# Altium PCB iMX53_BB_PCB_V1I1.PcbDoc (part 1 of 9) (continued)
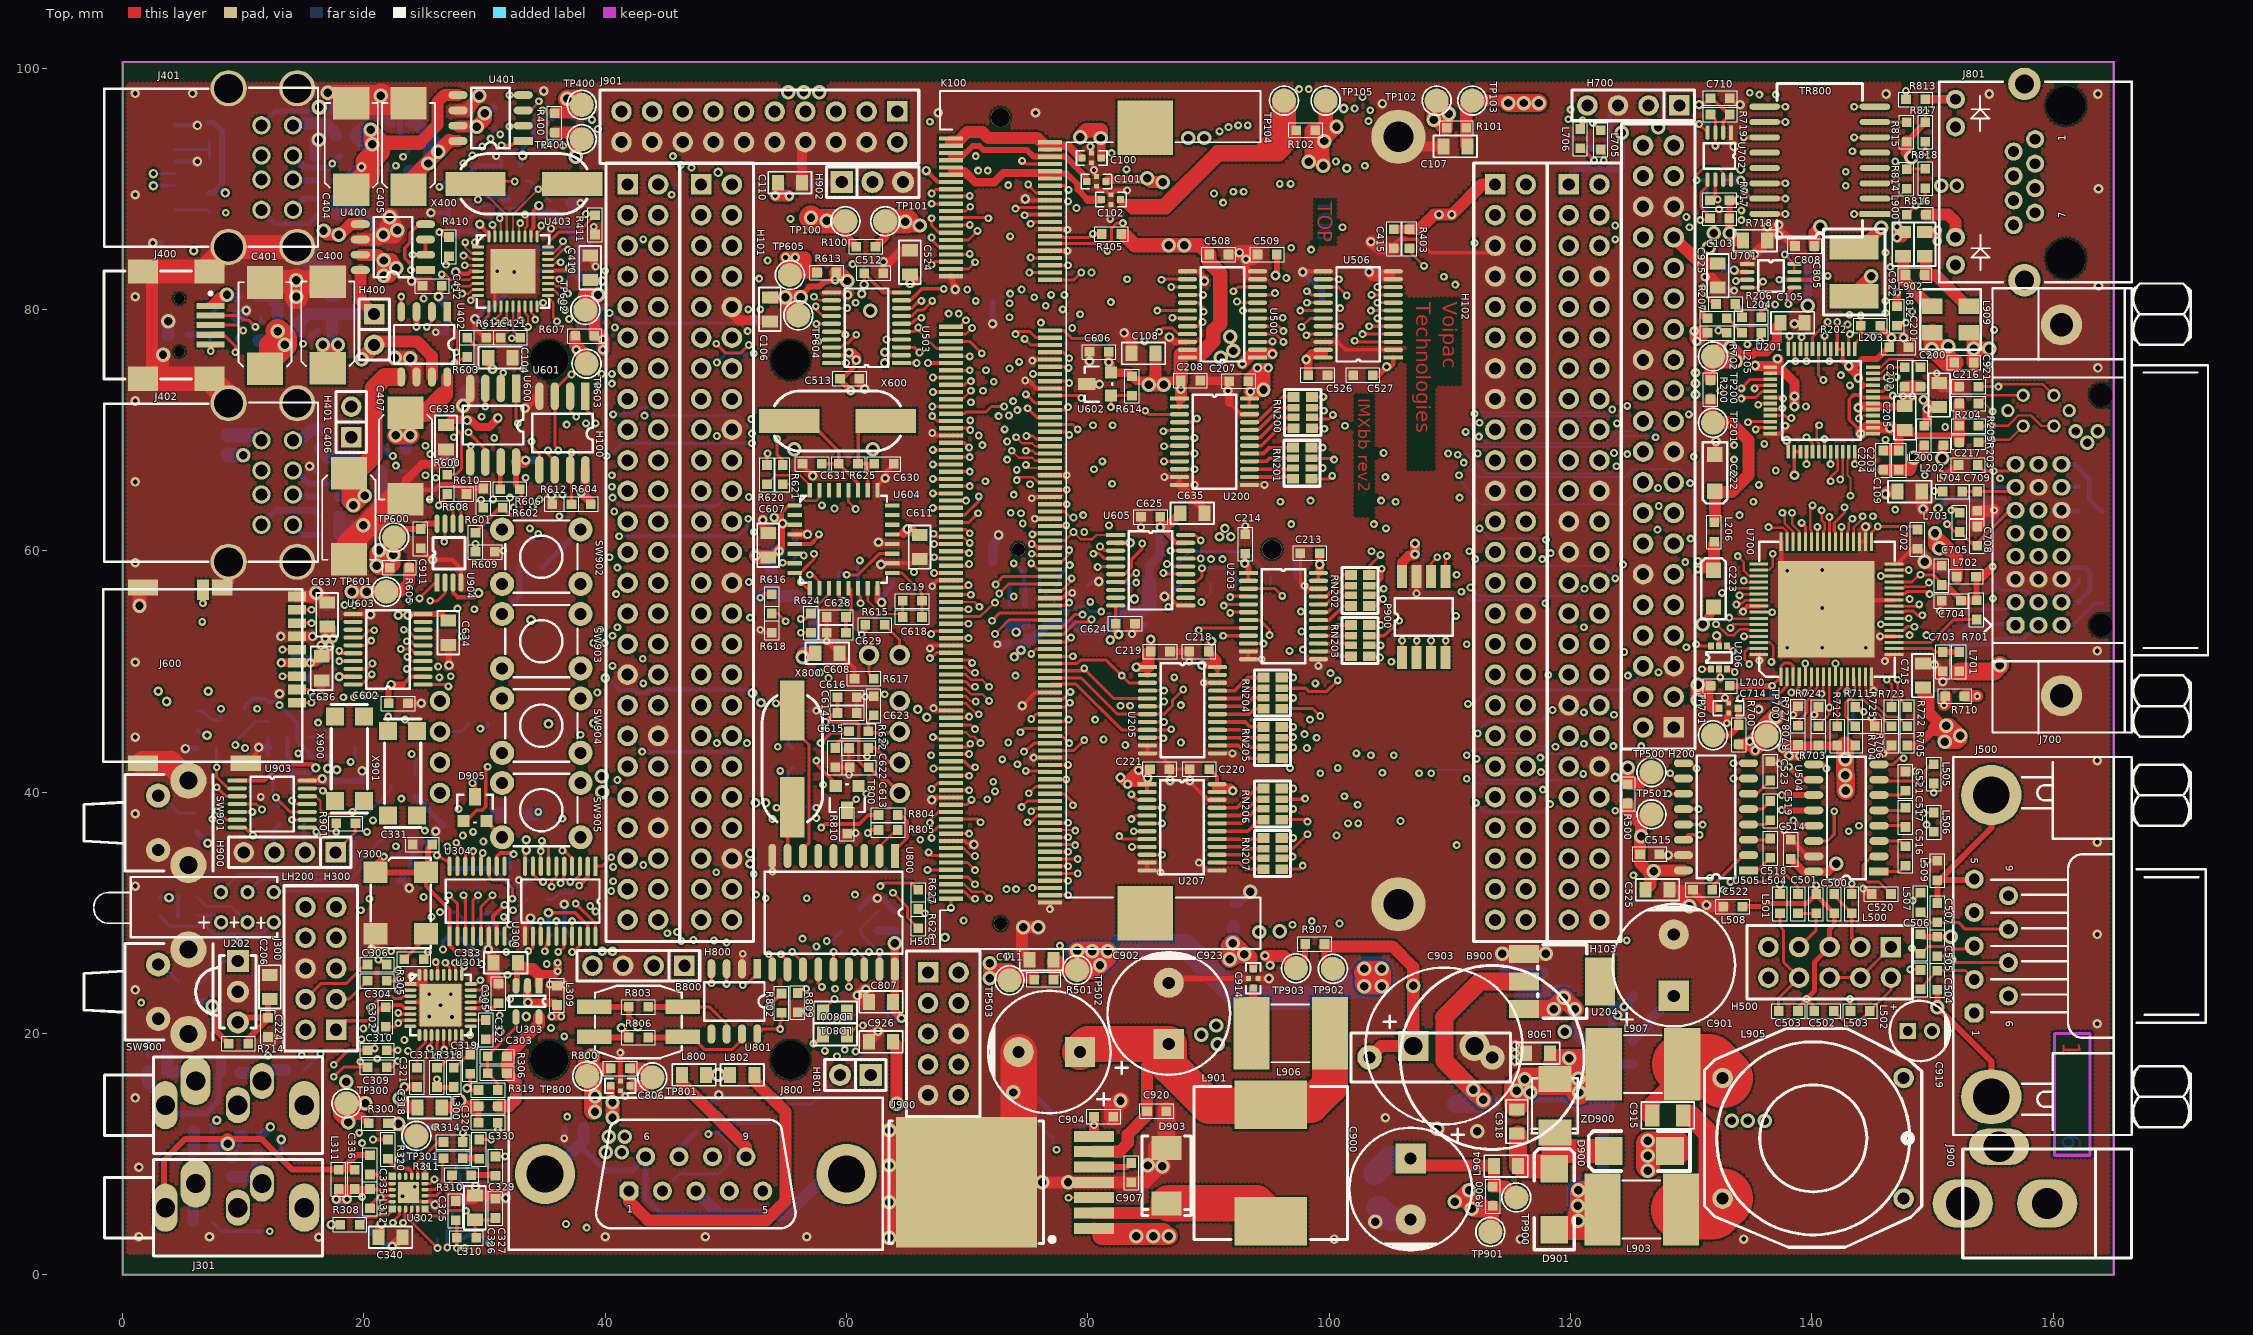
[diagram p0: Top view]
## Components (designator, comment, footprint, x,y, rotation, side; value= is the part's Value field where it differs from the comment) (continued)
H900 "H4" H1x4 13.85,35 r180 top
H902 "BOOTMODE" H1x3 59.6,90.55 r0 top
J300 "SJ3523" SJ35_NS 9.3,15.05 r90 top locked
J301 "SJ3523" SJ35_NS 9.3,6.55 r90 top locked
J400 "MINIUSB" MINI_USB_AB -11.2,75.9 r270 top locked
J401 "USB2A" USB-2A 11.5,95.25 r90 top locked
J402 "USB2A" USB-2A 11.5,69.15 r90 top locked
J500 "DB9M-RA" DRA9_M_RA 154.87,27.25 r270 top locked
J600 "MICROSD" USD10 14.45,47.4 r90 top
J601 "SCI8" SCI8F 55.35,17.8 r90 bottom locked
J602 "MMCSD" SDCMF-109 74.25,60.1 r0 bottom
J700 "DVI-I" DVI_F_RA 156.875,53.825 r270 top locked
J800 "DB9F-RA" DRA9_F 47.5,8.35 r0 top
J801 "RJ45RA" RJ45LED 158.5,94.1 r0 top locked
J900 "PJ102B" POWER_JACK_5.5/2.1MM_NS 156,8.25 r270 top locked
J901 "JTAG" H2x10 64.2,96.4 r270 top locked
K100 "DIMM200" SODIMM200EDGE 68.65,94.15 r0 top locked
L200 "BEAD" 0603 149.3,69.55 r90 top
L202 "BEAD" 0603 150.1,68.75 r0 top
L203 "BEAD" 0603 147.2,76.85 r180 top
L204 "BEAD" 0603 135,79.35 r0 top
L205 "BEAD" 0603 135,78.05 r0 top
L206 "BEAD" 0603 131.9,61.55 r90 top
L300 "BEAD" 0603 30.3,13.95 r0 top
L301 "BEAD" 0603 2.9,18.1 r0 bottom
L302 "BEAD" 0603 14.25,16.95 r180 bottom
L303 "BEAD" 0603 8.95,17.95 r180 bottom
L304 "BEAD" 0603 6.65,4.45 r180 bottom
L305 "BEAD" 0603 12,9.95 r180 bottom
L306 "BEAD" 0603 6.7,11.85 r180 bottom
L308 "BEAD" 0603 10.7,11.55 r180 bottom
L309 "BEAD" 0603 36,23.15 r270 top
L310 "BEAD" 0603 28.5,3.05 r180 top
L311 "270nH" 0603 17.9,7.9 r90 top
L312 "120nH" 0603 20.5,6.3 r270 top
L400 "BEAD" 0603 10.45,81.05 r180 bottom
L401 "BEAD" 0603 4.6,77.9 r0 bottom
L402 "BEAD" 0603 23,95.4 r180 bottom
L403 "BEAD" 0603 18.5,94.4 r0 bottom
L404 "BEAD" 0603 16.95,87.85 r180 bottom
L405 "BEAD" 0603 16.95,89.2 r180 bottom
L406 "BEAD" 0603 8.7,68.75 r90 bottom
L407 "BEAD" 0603 16.35,69.25 r270 bottom
L408 "BEAD" 0603 17.15,62.85 r180 bottom
L409 "BEAD" 0603 17.15,61.3 r180 bottom
L500 "BEAD" 0603 143.3,30.75 r270 top
L501 "BEAD" 0603 137.35,30.75 r90 top
L502 "BEAD" 0603 149,24.45 r270 top
L503 "BEAD" 0603 144,21.85 r180 top
L504 "BEAD" 0603 138.85,30.75 r270 top
L505 "BEAD" 0603 150.1,41.5 r270 top
L506 "BEAD" 0603 150.1,37.5 r270 top
L507 "BEAD" 0603 149,30.85 r270 top
L508 "BEAD" 0603 133.45,30.5 r0 top
L509 "BEAD" 0603 150.4,33.5 r270 top
L700 "BEAD" 0603 132.4,48.8 r180 top
L701 "BEAD" 0603 152.2,50.8 r270 top
L702 "BEAD" 0603 152.8,57.85 r180 top
L703 "BEAD" 0603 152.25,62.35 r270 top
L704 "BEAD" 0603 151.65,64.9 r0 top
L705 "BEAD" 0603 122.5,94.05 r90 top
L706 "BEAD" 0603 120.8,94.15 r90 top
L800 "BEAD" 0805 47.35,16.55 r0 top
L801 "BEAD" 0603 37.4,12.15 r0 bottom
L802 "BEAD" 0805 51.35,16.55 r180 top
L900 "BEAD" 0805 147.55,85.4 r270 top
L901 "33uH" L127_NS 95.15,9.25 r180 top
L902 "BEAD" 0805 149.35,85.4 r270 top
L903 "7427512" 7427512 125.9,5.4 r0 top
L904 "BEAD" 0805 114.65,9 r0 top
L905 "B82721A2701N20" 42H17 147.6,16.3 r180 top
L906 "7427512" 7427512 96.8,20 r0 top
L907 "7427512" 7427512 126,17.45 r0 top
L908 "BEAD" 0805 117.3,18.35 r0 top
L909 "DLW5BSN302SQ2L" DLW5BSN 153,78.05 r270 top
LD800 "LED" 0805 59.05,19.9 r180 top
LD801 "LED" 0805 59.05,21.75 r180 top
LH200 "LEDH3" "LED HOLDER 3" 10.48,27.95 r90 top locked
P900 "JTAG8" 47041-0001 106.034,51.152 r90 top locked
R100 "0R1" 0603 61.6,85.2 r0 top
R101 "0R1" 0603 110.55,95.05 r0 top
R102 "0R1" 0603 98.05,94.85 r0 top
R200 "0R1" 0603 131.6,73.35 r270 top
R201 "10k" 0603 6,23.45 r90 bottom
R202 "560R" 0603 144.85,78.65 r180 top
R203 "75R" 0603 153,69 r0 top
R204 "75R" 0603 153,72.2 r0 top
R205 "75R" 0603 153,70.35 r0 top
R206 "10R" 0603 132.85,80.45 r180 top
R207 "10R" 0603 132.15,79.25 r180 top
R208 "1k" 0603 5.4,29.75 r0 bottom
R209 "1k" 0603 5.4,31.25 r0 bottom
R210 "1k" 0603 3.1,30.5 r270 bottom
R211 "10k" 0603 15.45,43.75 r90 bottom
R212 "100k" 0603 7,43.65 r180 bottom
R213 "0R" 0603 7.2,88.85 r90 bottom
R214 "100R" 0603 9.6,19.15 r0 top
R215 "47R" 0603 7.2,94.65 r270 bottom
R300 "0R1" 0603 21.2,12.55 r0 top
R301 "10R" 0603 27.05,30.05 r270 bottom
R302 "10R" 0603 30.65,30.05 r270 bottom
R303 "10R" 0603 29.45,30.05 r270 bottom
R304 "10R" 0603 28.25,30.05 r270 bottom
R305 "10R" 0603 24.15,26.15 r0 top
R306 "75k" 0603 31.05,16.7 r0 top
R307 "10k" 0603 26.9,3.05 r0 bottom
R308 "10k" 0603 18.85,4.15 r180 top
R309 "0R" 0603 26.05,10.4 r90 bottom
R310 "22k" 0603 28.1,8.25 r180 top
R311 "22k" 0603 27.4,9.65 r180 top
R312 "0R" 0603 27.05,6.1 r90 bottom
R313 "0R" 0603 26.85,9.6 r180 bottom
R314 "0R" 0603 27.4,11 r180 top
R315 "0R" 0603 26.25,6.9 r0 bottom
R316 "0R" 0603 23.4,5.6 r180 bottom
R317 "0R" 0603 18.9,5.35 r180 bottom
R318 "1k" 0603 27.45,16.35 r90 top
R319 "51k" 0603 30.3,15.3 r0 top
R320 "0R" 0603 22,10.4 r270 top
R321 "10k" 0603 34.35,31.1 r180 bottom
R322 "10k" 0603 33.4,28.35 r180 bottom
R400 "0R1" 0603 35.8,95.45 r270 top
R401 "10k" 0603 60.65,83.5 r180 bottom
R402 "820R" 0603 15.4,78.2 r0 bottom
R403 "820R" 0603 106.65,85.85 r270 top
R404 "100k" 0603 30.85,95.95 r90 bottom
R405 "10k" 0603 81.95,86.25 r180 top
R406 "0R" 0603 36.9,87.55 r180 bottom
R407 "100k" 0603 34.85,95.65 r0 bottom
R408 "100k" 0603 34.9,94.3 r0 bottom
R409 "100k" 0603 26.5,85.95 r180 bottom
R410 "0R" 0603 27.05,85.2 r270 top
R411 "100k" 0603 39.15,87 r270 top
R412 "100k" 0603 32.45,83.95 r180 bottom
R413 "100k" 0603 34.55,85.85 r0 bottom
R414 "1M" 0603 32.6,90.6 r180 bottom
R415 "12k0" 0603 30.35,88.7 r270 bottom
R416 "0R" 0603 36.45,95.65 r0 bottom
R417 "0R" 0603 36.5,94.3 r0 bottom
R418 "100k" 0603 35.65,96.45 r90 bottom
R419 "100k" 0603 35.7,93.5 r270 bottom
R500 "0R1" 0603 124.75,39.85 r270 top
R501 "0R1" 0603 76.35,24.45 r180 top
R600 "10k" 0603 26.9,65.5 r270 top
R601 "10k" 0603 29.25,60.7 r270 top
R602 "10k" 0603 30.7,63.55 r180 top
R603 "10k" 0603 28.55,76.85 r90 top
R604 "10k" 0603 38,63.85 r180 top
R605 "0R1" 0603 22.95,58.6 r0 top
R606 "10k" 0603 32.1,65.1 r180 top
R607 "0R1" 0603 38.3,77.8 r180 top
R608 "10k" 0603 27.7,64.7 r0 top
R609 "10k" 0603 30.05,59.9 r0 top
R610 "10k" 0603 29.9,64.35 r90 top
R611 "10k" 0603 29.35,77.65 r0 top
R612 "10k" 0603 36.4,63.85 r180 top
R613 "0R1" 0603 58.35,83.05 r180 top
R614 "1k" 0603 83.65,73.65 r270 top
R615 "10k" 0603 62.35,53.85 r180 top
R616 "0R" 0603 53.8,55.6 r90 top
R617 "100R" 0603 61.45,49.4 r0 top
R618 "0R" 0603 53.8,54 r90 top
R619 "10k" 0603 6.65,55.55 r90 bottom
R620 "0R" 0603 53.4,66.3 r270 top
R621 "0R" 0603 54.7,66.3 r270 top
R622 "100R" 0603 61,45.05 r0 top
R623 "100R" 0603 29.5,45.65 r180 bottom
R624 "0R" 0603 57.05,54 r270 top
R625 "1M" 0603 60.15,67.2 r0 top
R626 "0R" 0603 65.95,29.5 r90 top
R627 "0R" 0603 65.95,31.1 r270 top
R631 "10k" 0603 73.5,54.7 r90 bottom
R632 "10k" 0603 74.8,54.7 r90 bottom
R700 "0R1" 0603 133.95,44.75 r90 top
R701 "510R0" 0603 153.65,55.1 r270 top
R702 "10R" 0603 132.15,78.05 r180 top
R703 "10k" 0603 140.55,44.65 r90 top
R704 "10k" 0603 143.6,44.65 r90 top
R705 "10k" 0603 147.9,44.65 r90 top
R706 "10k" 0603 146.6,44.65 r90 top
R707 "10k" 0603 138.45,44.7 r90 bottom
R708 "10k" 0603 138.85,44.7 r90 top
R709 "10k" 0603 140,44.7 r90 bottom
R710 "1k" 0603 151.85,47.95 r180 top
R711 "0R" 0603 143.6,46.25 r270 top
R712 "10k" 0603 142.1,44.65 r90 top
R713 "100k" 0603 138.85,83.9 r180 bottom
R714 "10k" 0603 138.85,82.6 r180 bottom
R715 "10k" 0603 138.85,81.3 r180 bottom
R716 "100k" 0603 132.1,90.7 r180 bottom
R717 "10k" 0603 132.35,89.05 r180 top
R718 "10k" 0603 132.35,87.55 r180 top
R719 "10k" 0603 132.4,96.15 r180 top
R720 "10k" 0603 131.5,96.15 r270 bottom
R722 "0R" 0603 147.9,46.25 r270 top
R723 "0R" 0603 146.6,46.25 r270 top
R724 "10k" 0603 140.55,46.25 r90 top
R725 "10k" 0603 144.4,45.45 r0 top
R726 "10k" 0603 138.45,46.3 r90 bottom
R727 "10k" 0603 138.85,46.3 r90 top
R728 "10k" 0603 140,46.3 r90 bottom
R800 "0R1" 0603 41.25,17.1 r0 top
R801 "120R" 0603 53.65,13.35 r270 bottom
R802 "100k" 0603 54.6,22.5 r270 top
R803 "0R" 0603 42.75,22.2 r180 top
R804 "0R" 0603 63.45,38.1 r0 top
R805 "0R" 0603 63.45,36.85 r0 top
R806 "0R" 0603 42.75,19.65 r180 top
R807 "1k" 0603 62.8,21.25 r180 bottom
R808 "1k" 0603 62.8,22.55 r180 bottom
R809 "10k" 0603 55.95,22.55 r270 top
R810 "10k" 0603 60.05,37.35 r270 top
R811 "1M" 0603 55.5,42.8 r270 bottom
R812 "10R" 0603 147.05,79.45 r90 top
R813 "1k" 0603 148.6,97.4 r0 top
R814 "75R" 0603 147.85,90.8 r90 top
R815 "75R" 0603 147.85,94.7 r270 top
R816 "1k" 0603 148.65,87.85 r0 top
R817 "75R" 0603 149.4,94.7 r270 top
R818 "75R" 0603 149.4,90.85 r270 top
R819 "100k" 0603 62.6,29.3 r90 bottom
R820 "0R" 0603 60.4,28.5 r180 bottom
R900 "0R1" 0603 113.55,6.5 r270 top
R901 "0R" 0603 18.5,37.4 r180 top
R902 "100k" 0603 13.25,40.2 r0 bottom
R902P "100k" 0603 13.25,41.5 r0 bottom
R903 "100k" 0603 6.25,45.9 r270 bottom
R904 "100R" 0603 15.05,38.15 r90 bottom
R905 "100R" 0603 13,38.1 r90 bottom
R906 "10k" 0603 12.05,46.65 r270 bottom
R907 "0R1" 0603 98.8,27.4 r180 top
R908 "1M" 0603 6,37.45 r270 bottom
R909 "10k" 0603 55.2,90.45 r180 bottom
R912 "100k" 0603 75.35,14.3 r270 bottom
RN200 "4x33R" RX4_NS 97.8,71.45 r270 top
RN201 "4x33R" RX4_NS 97.75,67.25 r270 top
RN202 "4x33R" RX4_NS 102.55,56.7 r270 top
RN203 "4x33R" RX4_NS 102.55,52.55 r270 top
RN204 "4x33R" RX4_NS 95.3,48.2 r270 top
RN205 "4x33R" RX4_NS 95.3,44.1 r270 top
RN206 "4x33R" RX4_NS 95.3,39 r270 top
RN207 "4x33R" RX4_NS 95.3,34.9 r270 top
SW900 "POWER" BUTTON_RA_NS 4.2,23.45 r270 top locked
SW901 "RESET" BUTTON_RA_NS 4.2,37.45 r270 top locked
SW902 "HOME" BUTTON_KSM61X 34.7,59.5 r180 top locked
SW903 "MENU" BUTTON_KSM61X 34.7,52.5 r180 top locked
SW904 "BACK" BUTTON_KSM61X 34.7,45.5 r180 top locked
SW905 "ZOOM" BUTTON_KSM61X 34.7,38.5 r0 top locked
T200 "BSS138" SOT23 21.9,33.6 r270 bottom
T201 "BSS138" SOT23 23.15,36.75 r270 bottom
T202 "BSS138" SOT23 23.25,40.55 r270 bottom
T203 "BSS138" SOT23 18.25,43.75 r90 bottom
T800 "BSS138" SOT23 60.05,39.5 r180 top
T900 "BSS138" SOT23 9.15,45.95 r270 bottom
T901 "BSS138" SOT23 78.1,12.4 r90 bottom
TP100 "TESTPOINT" TESTPOINT_2mm#1 59.9,87.3 r90 top locked
TP101 "TESTPOINT" TESTPOINT_2mm#1 63.2,87.3 r90 top locked
TP102 "TESTPOINT" TESTPOINT_2mm#1 108.9,97.3 r90 top locked
TP103 "TESTPOINT" TESTPOINT_2mm#1 111.85,97.3 r90 top locked
TP104 "TESTPOINT" TESTPOINT_2mm#1 96.25,97.3 r90 top locked
TP105 "TESTPOINT" TESTPOINT_2mm#1 99.7,97.3 r90 top locked
TP200 "TESTPOINT" TESTPOINT_2mm#1 131.8,76.1 r0 top locked
TP201 "TESTPOINT" TESTPOINT_2mm#1 131.8,70.6 r90 top locked
TP300 "TESTPOINT" TESTPOINT_2mm#1 18.55,14.2 r90 top locked
TP301 "TESTPOINT" TESTPOINT_2mm#1 24.35,11.5 r90 top locked
TP400 "TESTPOINT" TESTPOINT_2mm#1 38.05,96.95 r180 top locked
TP401 "TESTPOINT" TESTPOINT_2mm#1 38.05,94.1 r90 top locked
TP500 "TESTPOINT" TESTPOINT_2mm#1 126.7,41.65 r180 top locked
TP501 "TESTPOINT" TESTPOINT_2mm#1 126.7,38.15 r180 top locked
TP502 "TESTPOINT" TESTPOINT_2mm#1 79.1,25.25 r90 top locked
TP503 "TESTPOINT" TESTPOINT_2mm#1 73.5,24.4 r90 top locked
TP600 "TESTPOINT" TESTPOINT_2mm#1 22.5,61.1 r90 top locked
TP601 "TESTPOINT" TESTPOINT_2mm#1 21.85,56.6 r90 top locked
TP602 "TESTPOINT" TESTPOINT_2mm#1 38.35,79.95 r90 top locked
TP603 "TESTPOINT" TESTPOINT_2mm#1 38.45,75.5 r90 top locked
TP604 "TESTPOINT" TESTPOINT_2mm#1 56,79.5 r90 top locked
TP605 "TESTPOINT" TESTPOINT_2mm#1 55.3,82.85 r90 top locked
TP700 "TESTPOINT" TESTPOINT_2mm#1 136.25,44.65 r0 top locked
TP701 "TESTPOINT" TESTPOINT_2mm#1 131.8,44.7 r90 top locked
TP800 "TESTPOINT" TESTPOINT_2mm#1 38.5,16.45 r90 top locked
TP801 "TESTPOINT" TESTPOINT_2mm#1 43.9,16.35 r90 top locked
TP900 "TESTPOINT" TESTPOINT_2mm#1 115.5,6.4 r270 top locked
TP901 "TESTPOINT" TESTPOINT_2mm#1 113.35,3.55 r90 top locked
TP902 "TESTPOINT" TESTPOINT_2mm#2 100.3,25.35 r270 top
TP903 "TESTPOINT" TESTPOINT_2mm#2 97.25,25.4 r270 top
TR800 "TG110S050N2" SOIC16M 140.65,92.35 r180 top
TS800 "NUP2105L" SOT23 48.4,12.75 r180 bottom
U200 "74LVC8T245" TSSOP24 87.584,72.602 r0 top
U201 "ADV7125KST" LQFP48 136.55,75.2 r270 top
U202 "SFH5110-36" SFH511x 9.55,23.45 r270 top
U203 "74LVC8T245" TSSOP24 93.3,58.15 r0 top
U204 "LM1117" SOT223 119.3,24.3 r270 top
U205 "74LVC8T245" TSSOP24 84.934,50.352 r0 top
U206 "NC7WZ16" SC70 131.65,50.2 r90 top
U207 "74LVC8T245" TSSOP24 84.9,40.65 r0 top
U208 "TFDU4101" TDFU4101 4.35,91.75 r90 bottom
U300 "TXS0108E" TSSOP20 39.2,33.85 r270 top
U301 "SGTL5000" QFN32 26.35,22.35 r0 top
U302 "Si4705" QFN20 23.7,6.8 r0 top
U303 "LP2980-33" SOT23-5 33.55,22.65 r270 top
U304 "TSC2046" TSSOP16 27.1,28.05 r90 top
U400 "MIC2026-1" SOIC8N 25.1,83.25 r180 top
U401 "MIC2026-1" SOIC8N 33.2,93.95 r180 top
U402 "MIC2026-1" SOIC8N 26.9,79.8 r270 top
U403 "USB251x" QFN36 29.45,85.15 r0 top
U500 "74LVC8T245" TSSOP24 94.05,76 r180 top
U503 "TXS0108E" TSSOP20 64.55,75.55 r180 top
U504 "MAX3232" SOIC16N 145.55,33.4 r180 top
U505 "MAX3232" SOIC16N 134.75,33.5 r180 top
U506 "74LVC8T245" TSSOP24 105.3,76 r180 top
U600 "SPI25FLX" SOIC8 30.7,70.4 r270 top
U601 "AT24CXX" SOIC8 36.45,69.75 r270 top
U602 "DS2411" SOT23 80.9,73.8 r90 top
U603 "TXS0108E" TSSOP20 24.9,48.9 r180 top
U604 "TDA8029HL" LQFP32 55.7,63.75 r0 top
U605 "TXS0108E" TSSOP20 82.3,61.3 r0 top
U700 "TFP410" TQFP64 141.2,55.15 r90 top
U701 "PCA9306" TSSOP8 134.65,83.75 r0 top
U702 "PCA9306" TSSOP8 133.3,94.65 r270 top
U800 "MCP2515" SOIC18W 64,34.7 r270 top
U801 "PCA82C251" SOIC8N 52.6,25.35 r270 top
U900 "LM2599" TO263_7 74.4,7.65 r90 top
U901 "LM3480" SOT23 126.15,18.4 r90 bottom
U903 "MSP430F20x2" TSSOP14 9.5,40.95 r0 top
U904 "DS1339" uSOP8 27.05,59.8 r90 top
X400 "24MHz" HC494H 33.25,90.4 r0 top
X600 "14.745MHz" HC494H 59.25,70.75 r180 top
X800 "16MHz" HC494H 55.5,42.75 r90 top
X900 "32k768" SMQ32S 18.8,42.75 r90 top
X901 "32k768" SMQ32S 23.2,41.55 r270 top
Y300 "24MHz" JO75 23.05,30.8 r270 top
ZD900 "P6SMB39A" DO214AA 118.7,14 r90 top

## Footprints (in the part's own frame and the unit in brackets; to place one, negate y for a bottom-side part, rotate by r counter-clockwise, add the part's x,y. Pads: shape width x height; smd on the part's side, far side on the other; paste and mask are expansions set on the pad)
1n [mil]
  rect 80x160 smd: 1(-80,0) 2(80,0)
  silkscreen extent -140,-100 140,100
42H17 [mm]
  round 1.7 hole 1: 1(0,0) 2(15,0) 3(15,10) 4(0,10)
  silkscreen extent -1.5,-4.1 16.5,14.03
0603 [mm]
  rect 0.8x0.8 smd: 1(-0.8,0) 2(0.8,0)
  silkscreen extent -1.4,-0.6 1.4,0.6
0805 [mm]
  rect 1x1.3 smd: 1(-1,0) 2(1,0)
  silkscreen extent -1.8,-0.9 1.8,0.9
1206 [mm]
  rect 1.2x1.8 smd: 1(-1.3,0) 2(1.3,0)
  silkscreen extent -2.2,-1.1 2.2,1.1
3216A [mil]
  rect 50x50 smd: 1(60,0) 2(-60,0)
  silkscreen extent -100,-40 100,40
47041-0001 [mm]
  rect 1.9x0.8 smd: 1(0,0) 2(0,-1.2) 3(0,-2.4) 4(0,-3.6) 5(6.7,-3.6) 6(6.7,-2.4) 7(6.7,-1.2) 8(6.7,0)
  silkscreen extent 1.78,-4.2 4.91,0.6
7427512 [mm]
  rect 3x6 smd: 1(-3.25,0) 2(3.25,0)
  silkscreen extent -1.6,-2.4 1.58,2.4
B82790 [mm]
  rect 2.85x1.2 smd: 1(-3.675,-1.25) 2(3.675,-1.25) 3(3.675,1.25) 4(-3.675,1.25)
  silkscreen extent -3.6,-3 3.6,3
BR1225 [mil]
  round 80 hole 40: 1(400,0) 2(0,0)
  silkscreen extent -300,-300 460,300
BUTTON_KSM61X [mm]
  round 2 hole 1: 1(-3.25,2.25) 2(-3.25,-2.25) 3(3.25,2.25) 4(3.25,-2.25)
  silkscreen extent -3,-3 3,3
BUTTON_RA_NS [mm]
  round 2 hole 1.016: 1(-2.25,-1.25) 2(2.25,-1.25)
  round 3 hole 1.5: 3(-3.5,1.25) 4(3.5,1.25)
  silkscreen extent -4,-7.4 4,3.28
CTANTALD [mm]
  rect 2.7x3 smd: 1(3.575,0) 2(-3.575,0)
  silkscreen extent -3.6,-2.2 3.4,2.2
DLW5BSN [mm]
  rect 1.3x1.7 smd: 1(-2.201,-0.009) 2(-0.001,-0.009) 3(-0.001,-3.009) 4(-2.201,-3.009)
  silkscreen extent -3.6,-4.01 1.4,0.99
DO214AA [mm]
  rect 2.159x2.743 smd: 1(-2.21,0) 2(2.21,0)
  silkscreen extent -2.28,-1.91 2.28,1.91
DRA9_F [mm]
  oct 1.575x1.575 hole 0.889: 1(-5.535,-1.418)
  round 1.575 hole 0.889: 2(-2.762,-1.418) 3(0.011,-1.418) 4(2.783,-1.418) 5(5.556,-1.418) 6(-4.159,1.418) 7(-1.386,1.418) 8(1.386,1.418) 9(4.159,1.418)
  round 4.995 hole 3.048: 10(-12.499,0) 11(12.499,0)
  silkscreen extent -15.5,-6.3 15.5,6.3
DRA9_M_RA [mil]
  oct 62x62 hole 35: 1(218.75,-55.83)
  round 62 hole 35: 2(109.58,-55.83) 3(0.42,-55.83) 4(-108.75,-55.83) 5(-217.92,-55.83) 6(163.75,55.83) 7(54.58,55.83) 8(-54.58,55.83) 9(-163.75,55.83)
  round 196.85 hole 120: 10(-492.09,0)
  oval 177.17x196.85 hole 120: 11(492.09,0)
  silkscreen extent -616,-125 617,700
DVI_F_RA [mm]
  round 1.93 hole 1.93 unplated paste+0 mask+0: 0(-19.05,7.11) 0(0,7.11)
  oct 1.36x1.522 hole 0.86: 1(0,0)
  oval 1.36x1.522 hole 0.86: 2(-1.905,0) 3(-3.81,0) 4(-5.715,0) 5(-7.62,0) 6(-9.525,0) 7(-11.43,0) 8(-13.335,0) 9(0,1.905) 10(-1.905,1.905) 11(-3.81,1.905) 12(-5.715,1.905) 13(-7.62,1.905) 14(-9.525,1.905) 15(-11.43,1.905) 16(-13.335,1.905) 17(0,3.81) 18(-1.905,3.81) 19(-3.81,3.81) 20(-5.715,3.81) 21(-7.62,3.81) 22(-9.525,3.81) 23(-11.43,3.81) 24(-13.335,3.81)
  round 3.4 hole 1.93: 25(5.84,3.81) 26(-24.89,3.81)
  round 1.1 hole 0.66: C1(-16.51,0.635) C2(-19.05,0.635) C3(-16.51,3.175) C4(-19.05,3.175) C5(-17.78,4.445) C6(-17.78,-0.635)
  silkscreen extent -28.32,-2.6 9.24,15.95
EC2/5 [mm]
  rect 1.35x1.35 hole 0.8: 1(-1,0)
  round 1.35 hole 0.8: 2(1,0)
  silkscreen extent -2.5,-2.5 2.5,2.5
EC5/10 [mm]
  rect 2.5x2.5 hole 1: 1(-2.54,0)
  round 2.5 hole 1: 2(2.54,0)
  silkscreen extent -5.08,-5.08 5.08,5.08
H1x2#1 [mm]
  rect 1.7x1.7 hole 1: 1(0,0)
  round 1.7 hole 1: 2(2.54,0)
  silkscreen extent -1.27,-1.27 3.81,1.27
H1x2#2 [mm]
  rect 1.829x1.829 hole 1.016: 1(0,0)
  round 1.829 hole 1.016: 2(2.54,0)
  silkscreen extent -1.27,-1.27 3.81,1.27
H1x3 [mil]
  rect 72x72 hole 40: 1(0,0)
  round 72 hole 40: 2(100,0) 3(200,0)
  silkscreen extent -50,-50 252,50
H1x4 [mm]
  rect 1.7x1.7 hole 1: 1(-3.81,0)
  round 1.7 hole 1: 2(-1.27,0) 3(1.27,0) 4(3.81,0)
  silkscreen extent -5.08,-1.27 5.08,1.27
H2x5 [mm]
  rect 1.7x1.7 hole 1: 1(0,0)
  round 1.7 hole 1: 2(2.54,0) 3(0,-2.54) 4(2.54,-2.54) 5(0,-5.08) 6(2.54,-5.08) 7(0,-7.62) 8(2.54,-7.62) 9(0,-10.16) 10(2.54,-10.16)
  silkscreen extent -1.78,-11.93 4.32,1.78
H2x10 [mm]
  rect 1.7x1.7 hole 1: 1(0,0)
  round 1.7 hole 1: 2(2.54,0) 3(0,-2.54) 4(2.54,-2.54) 5(0,-5.08) 6(2.54,-5.08) 7(0,-7.62) 8(2.54,-7.62) 9(0,-10.16) 10(2.54,-10.16) 11(0,-12.7) 12(2.54,-12.7) 13(0,-15.24) 14(2.54,-15.24) 15(0,-17.78) 16(2.54,-17.78) 17(0,-20.32) 18(2.54,-20.32) 19(0,-22.86) 20(2.54,-22.86)
  silkscreen extent -1.78,-24.63 4.32,1.78
H2x20 [mm]
  rect 1.7x1.7 hole 1: 1(0,0)
  round 1.7 hole 1: 2(2.54,0) 3(0,-2.54) 4(2.54,-2.54) 5(0,-5.08) 6(2.54,-5.08) 7(0,-7.62) 8(2.54,-7.62) 9(0,-10.16) 10(2.54,-10.16) 11(0,-12.7) 12(2.54,-12.7) 13(0,-15.24) 14(2.54,-15.24) 15(0,-17.78) 16(2.54,-17.78) 17(0,-20.32) 18(2.54,-20.32) 19(0,-22.86) 20(2.54,-22.86) 21(0,-25.39) 22(2.54,-25.39) 23(0,-27.93) 24(2.54,-27.93) 25(0,-30.47) 26(2.54,-30.47) 27(0,-33.01) 28(2.54,-33.01) 29(0,-35.55) 30(2.54,-35.55) 31(0,-38.08) 32(2.54,-38.08) 33(0,-40.62) 34(2.54,-40.62) 35(0,-43.16) 36(2.54,-43.16) 37(0,-45.7) 38(2.54,-45.7) 39(0,-48.24) 40(2.54,-48.24)
  silkscreen extent -1.78,-50.02 4.32,1.78
H2x25 [mm]
  rect 1.7x1.7 hole 1: 1(0,0)
  round 1.7 hole 1: 2(2.54,0) 3(0,-2.54) 4(2.54,-2.54) 5(0,-5.08) 6(2.54,-5.08) 7(0,-7.62) 8(2.54,-7.62) 9(0,-10.16) 10(2.54,-10.16) 11(0,-12.7) 12(2.54,-12.7) 13(0,-15.24) 14(2.54,-15.24) 15(0,-17.78) 16(2.54,-17.78) 17(0,-20.32) 18(2.54,-20.32) 19(0,-22.86) 20(2.54,-22.86) 21(0,-25.39) 22(2.54,-25.39) 23(0,-27.93) 24(2.54,-27.93) 25(0,-30.47) 26(2.54,-30.47) 27(0,-33.01) 28(2.54,-33.01) 29(0,-35.55) 30(2.54,-35.55) 31(0,-38.08) 32(2.54,-38.08) 33(0,-40.62) 34(2.54,-40.62) 35(0,-43.16) 36(2.54,-43.16) 37(0,-45.7) 38(2.54,-45.7) 39(0,-48.24) 40(2.54,-48.24) 41(0,-50.78) 42(2.54,-50.78) 43(0,-53.32) 44(2.54,-53.32) 45(0,-55.86) 46(2.54,-55.86) 47(0,-58.4) 48(2.54,-58.4) 49(0,-60.94) 50(2.54,-60.94)
  silkscreen extent -1.78,-62.73 4.32,1.78
HC494H [mm]
  rect 5x2 smd: 1(-4,0) 2(4,0)
  silkscreen extent -5.22,-2.5 5.24,2.5
JO75 [mm]
  rect 1.8x2 smd: 1(-2.54,-2.1) 2(2.54,-2.1) 3(2.54,2.1) 4(-2.54,2.1)
  silkscreen extent -3.75,-2.5 3.75,2.5
L127_NS [mm]
  rect 6x4 smd: 1(0,4.826) 2(0,-4.826)
  silkscreen extent -6.35,-6.35 6.35,6.35
"LED HOLDER 3" [mm]
  round 1.2 hole 0.7: 1(3.754,2.328) 2(1.25,2.32) 3(3.754,0.128) 4(1.254,0.128) 5(3.75,-2.06) 6(1.25,-2.06)
  silkscreen extent 0,-2.34 5.01,12.87
LQFP32 [mm]
  oval 1.2x0.35 smd: 1(0,0)
  rect 1.2x0.35 smd: 2(0,-0.8) 3(0,-1.6) 4(0,-2.4) 5(0,-3.2) 6(0,-4) 7(0,-4.8) 8(0,-5.6) 17(8.1,-5.6) 18(8.1,-4.8) 19(8.1,-4) 20(8.1,-3.2) 21(8.1,-2.4) 22(8.1,-1.6) 23(8.1,-0.8) 24(8.1,0)
  rect 0.35x1.2 smd: 9(1.25,-6.85) 10(2.05,-6.85) 11(2.85,-6.85) 12(3.65,-6.85) 13(4.45,-6.85) 14(5.25,-6.85) 15(6.05,-6.85) 16(6.85,-6.85) 25(6.85,1.25) 26(6.05,1.25) 27(5.25,1.25) 28(4.45,1.25) 29(3.65,1.25) 30(2.85,1.25) 31(2.05,1.25) 32(1.25,1.25)
  silkscreen extent 0.45,-6.4 7.65,0.8
LQFP48 [mm]
  oval 0.3x1.15 smd: 1(0,0)
  rect 0.3x1.15 smd: 2(0.5,0) 3(1,0) 4(1.5,0) 5(2,0) 6(2.5,0) 7(3,0) 8(3.5,0) 9(4,0) 10(4.5,0) 11(5,0) 12(5.5,0) 25(5.5,8.5) 26(5,8.5) 27(4.5,8.5) 28(4,8.5) 29(3.5,8.5) 30(3,8.5) 31(2.5,8.5) 32(2,8.5) 33(1.5,8.5) 34(1,8.5) 35(0.5,8.5) 36(0,8.5)
  rect 1.15x0.3 smd: 13(7,1.5) 14(7,2) 15(7,2.5) 16(7,3) 17(7,3.5) 18(7,4) 19(7,4.5) 20(7,5) 21(7,5.5) 22(7,6) 23(7,6.5) 24(7,7) 37(-1.5,7) 38(-1.5,6.5) 39(-1.5,6) 40(-1.5,5.5) 41(-1.5,5) 42(-1.5,4.5) 43(-1.5,4) 44(-1.5,3.5) 45(-1.5,3) 46(-1.5,2.5) 47(-1.5,2) 48(-1.5,1.5)
  silkscreen extent -0.5,1 6,7.5
MELF [mil]
  rect 90x90 smd: 1(100,0) 2(-100,0)
  silkscreen extent -165,-65 165,65
MINI_USB_AB [mm]
  rect 0.5x2.3 smd: 1(-4.396,18.493) 2(-3.596,18.493) 3(-2.796,18.493) 4(-1.996,18.493) 5(-1.196,18.493)
  rect 2x2.5 smd: 6(-7.246,18.393) 7(1.654,18.393) 8(-7.246,12.893) 9(1.654,12.893)
  round 0.9 hole 0.9 unplated: MH3(-4.996,15.893) MH4(-0.596,15.893)
  silkscreen extent -7.3,9.64 1.65,18.62
NFM18P [mm]
  rect 0.6x0.6 smd: 1(-0.8,0) 3(0.8,0)
  rect 0.4x0.4 smd: 2(0,0.4) 4(0,-0.4)
  silkscreen extent -1.25,-0.6 1.27,0.6
POWER_JACK_5.5/2.1MM_NS [mm]
  oval 3x5 hole 2.54: 1(-2.35,-0.5)
  oval 4x5 hole 2.794: 2(2.35,-3.5)
  oval 4x5 hole 2.54: 3(2.35,3.5)
  silkscreen extent -2.15,-3.5 6.85,10.5
QFN20 [mm]
  rect 0.6x0.6 smd: 1(-1.35,1.35) 6(-1.35,-1.35) 11(1.35,-1.35) 16(1.35,1.35)
  oval 0.6x0.3 smd: 2(-1.35,0.75) 3(-1.35,0.25) 4(-1.35,-0.25) 5(-1.35,-0.75) 12(1.35,-0.75) 13(1.35,-0.25) 14(1.35,0.25) 15(1.35,0.75)
  oval 0.3x0.6 smd: 7(-0.75,-1.35) 8(-0.25,-1.35) 9(0.25,-1.35) 10(0.75,-1.35) 17(0.75,1.35) 18(0.25,1.35) 19(-0.25,1.35) 20(-0.75,1.35)
  rect 1.75x1.75 smd: 21(0,0)
QFN32 [mm]
  rect 1x0.3 smd: 1(-2.5,1.738)
  oval 1x0.3 smd: 2(-2.5,1.238) 3(-2.5,0.738) 4(-2.5,0.238) 5(-2.5,-0.262) 6(-2.5,-0.762) 7(-2.5,-1.262) 8(-2.5,-1.763) 17(2.5,-1.763) 18(2.5,-1.262) 19(2.5,-0.762) 20(2.5,-0.262) 21(2.5,0.238) 22(2.5,0.738) 23(2.5,1.238) 24(2.5,1.738)
  oval 0.3x1 smd: 9(-1.75,-2.5) 10(-1.25,-2.5) 11(-0.75,-2.5) 12(-0.25,-2.5) 13(0.25,-2.5) 14(0.75,-2.5) 15(1.25,-2.5) 16(1.75,-2.5) 25(1.75,2.5) 26(1.25,2.5) 27(0.75,2.5) 28(0.25,2.5) 29(-0.25,2.5) 30(-0.75,2.5) 31(-1.25,2.5) 32(-1.75,2.5)
  rect 3.5x3.5 smd: 33(0,-0.012)
  silkscreen extent -2.5,-2.5 2.5,2.5
QFN36 [mm]
  rect 1x0.25 smd: 1(0,0)
  oval 1x0.25 smd: 2(0,-0.5) 3(0,-1) 4(0,-1.5) 5(0,-2) 6(0,-2.5) 7(0,-3) 8(0,-3.5) 9(0,-4) 19(5.8,-4) 20(5.8,-3.5) 21(5.8,-3) 22(5.8,-2.5) 23(5.8,-2) 24(5.8,-1.5) 25(5.8,-1) 26(5.8,-0.5) 27(5.8,0)
  oval 0.25x1 smd: 10(0.9,-4.9) 11(1.4,-4.9) 12(1.9,-4.9) 13(2.4,-4.9) 14(2.9,-4.9) 15(3.4,-4.9) 16(3.9,-4.9) 17(4.4,-4.9) 18(4.9,-4.9) 28(4.9,0.9) 29(4.4,0.9) 30(3.9,0.9) 31(3.4,0.9) 32(2.9,0.9) 33(2.4,0.9) 34(1.9,0.9) 35(1.4,0.9) 36(0.9,0.9)
  rect 3.7x3.7 smd: 37(2.9,-2)
  silkscreen extent -0.1,-5 5.9,1
RJ45LED [mm]
  round 1.5 hole 0.9: 1(0,0) 2(-1.78,-1.02) 3(0,-2.03) 4(-1.78,-3.05) 5(0,-4.06) 6(-1.78,-5.07) 7(0,-6.09) 8(-1.78,-7.11)
  round 1.575 hole 0.9: 9(-6.6,3.31) 10(-6.6,1.02) 11(-6.6,-8.12) 12(-6.6,-10.41)
  round 2.7 hole 1.6: 13(-0.89,4.58) 14(-0.89,-11.68)
  round 3.25 hole 3.25 unplated: BO1(2.54,-9.9) BO2(2.54,2.8)
  silkscreen extent -7.94,-11.85 8,4.75
RX4_NS [mil]
  rect 32x39.37 smd: 1(-51,-30) 4(51,-30) 5(51,30) 8(-51,30)
  rect 24x39.37 smd: 2(-15.75,-30) 3(15.75,-30) 6(15.75,30) 7(-15.75,30)
  silkscreen extent -75,-59 75,59
SC5/13 [mm]
  rect 2.5x2.5 hole 1.5: 1(-2.54,0)
  round 2.5 hole 1.5: 2(2.54,0)
  silkscreen extent -6.5,-6.5 6.5,6.5
SC70 [mm]
  rect 0.6x0.5 smd: 1(0,0) 2(0,-0.65) 3(0,-1.3) 4(1.9,-1.3) 5(1.9,-0.65) 6(1.9,0)
  silkscreen extent 0.5,-1.7 1.4,0.4
SCI8F [mm]
  round 1.7 hole 1: 1(22.12,9.05) 2(24.66,9.05) 3(27.2,9.05) 4(29.74,9.05) 5(22.12,-29.05) 6(24.66,-29.05) 7(27.2,-29.05) 8(29.74,-29.05) 9(33.55,9.05) 10(33.55,6.51)
  round 3.2 hole 3.2 unplated: MH1(0,0) MH2(58,0) MH3(0,-20) MH4(58,-20)
  silkscreen extent -2,-30 60,10
SDCMF-109 [mm]
  rect 1x1.5 smd: 1(20.875,2.8) 2(18.375,2.8) 3(15.875,2.8) 4(13.375,2.8) 5(10.875,2.8) 6(8.375,2.8) 7(5.875,2.8) 8(3.375,2.8) 9(1.75,2.8)
  rect 0.7x1.5 smd: 10(0.45,2.8) 11(-0.75,2.8)
  rect 1.5x2.8 smd: 12(22.95,1) 13(-2.15,1) 14(25.15,-20.5) 15(-2.15,-20.5)
  round 1.6 hole 1.6 unplated: 16(21,0)
  round 1.1 hole 1.1 unplated: 17(0,0)
  silkscreen extent -2.2,-22.55 25.15,1.75
SFH511x [mil]
  rect 72x72 hole 40: 1(-100,0)
  round 72 hole 40: 2(0,0) 3(100,0)
  silkscreen extent -118,-138 118,59
SJ35_NS [mm]
  oval 4x2.5 hole 1.6: 1(1,3.25) 4(-1,-5.75)
  oval 3x2 hole 1.6: 2(1,-2.25) 5(-1,-0.25)
  oval 4x2 hole 1.6: 3(-1,5.75)
  silkscreen extent -5,-7.25 3,10.8
SMB [mm]
  rect 2.5x2 smd: 1(0,2.286) 2(0,-2.286)
  silkscreen extent -2.03,-3.3 2.03,3.3
SMQ32S [mm]
  rect 1.5x1.5 smd: 1(-3.495,1.21) 2(-3.495,-1.19) 3(3.505,1.21) 4(3.505,-1.19)
  silkscreen extent -4.5,-1.49 4.5,1.51
SODIMM200EDGE [mm]
  rect 2x0.35 smd: 1(0,0) 2(8.2,-0.3) 3(0,-0.6) 4(8.2,-0.9) 5(0,-1.2) 6(8.2,-1.5) 7(0,-1.8) 8(8.2,-2.1) 9(0,-2.4) 10(8.2,-2.7) 11(0,-3) 12(8.2,-3.3) 13(0,-3.6) 14(8.2,-3.9) 15(0,-4.2) 16(8.2,-4.5) 17(0,-4.8) 18(8.2,-5.1) 19(0,-5.4) 20(8.2,-5.7) 21(0,-6) 22(8.2,-6.3) 23(0,-6.6) 24(8.2,-6.9) 25(0,-7.2) 26(8.2,-7.5) 27(0,-7.8) 28(8.2,-8.1) 29(0,-8.4) 30(8.2,-8.7) 31(0,-9) 32(8.2,-9.3) 33(0,-9.6) 34(8.2,-9.9) 35(0,-10.2) 36(8.2,-10.5) 37(0,-10.8) 38(8.2,-11.1) 39(0,-11.4) 40(8.2,-11.7) 41(0,-15.6) 42(8.2,-15.9) 43(0,-16.2) 44(8.2,-16.5) 45(0,-16.8) 46(8.2,-17.1) 47(0,-17.4) 48(8.2,-17.7) 49(0,-18) 50(8.2,-18.3) 51(0,-18.6) 52(8.2,-18.9) 53(0,-19.2) 54(8.2,-19.5) 55(0,-19.8) 56(8.2,-20.1) 57(0,-20.4) 58(8.2,-20.7) 59(0,-21) 60(8.2,-21.3) 61(0,-21.6) 62(8.2,-21.9) 63(0,-22.2) 64(8.2,-22.5) 65(0,-22.8) 66(8.2,-23.1) 67(0,-23.4) 68(8.2,-23.7) 69(0,-24) 70(8.2,-24.3) 71(0,-24.6) 72(8.2,-24.9) 73(0,-25.2) 74(8.2,-25.5) 75(0,-25.8) 76(8.2,-26.1) 77(0,-26.4) 78(8.2,-26.7) 79(0,-27) 80(8.2,-27.3) 81(0,-27.6) 82(8.2,-27.9) 83(0,-28.2) 84(8.2,-28.5) 85(0,-28.8) 86(8.2,-29.1) 87(0,-29.4) 88(8.2,-29.7) 89(0,-30) 90(8.2,-30.3) 91(0,-30.6) 92(8.2,-30.9) 93(0,-31.2) 94(8.2,-31.5) 95(0,-31.8) 96(8.2,-32.1) 97(0,-32.4) 98(8.2,-32.7) 99(0,-33) 100(8.2,-33.3) 101(0,-33.6) 102(8.2,-33.9) 103(0,-34.2) 104(8.2,-34.5) 105(0,-34.8) 106(8.2,-35.1) 107(0,-35.4) 108(8.2,-35.7) 109(0,-36) 110(8.2,-36.3) 111(0,-36.6) 112(8.2,-36.9) 113(0,-37.2) 114(8.2,-37.5) 115(0,-37.8) 116(8.2,-38.1) 117(0,-38.4) 118(8.2,-38.7) 119(0,-39) 120(8.2,-39.3) 121(0,-39.6) 122(8.2,-39.9) 123(0,-40.2) 124(8.2,-40.5) 125(0,-40.8) 126(8.2,-41.1) 127(0,-41.4) 128(8.2,-41.7) 129(0,-42) 130(8.2,-42.3) 131(0,-42.6) 132(8.2,-42.9) 133(0,-43.2) 134(8.2,-43.5) 135(0,-43.8) 136(8.2,-44.1) 137(0,-44.4) 138(8.2,-44.7) 139(0,-45) 140(8.2,-45.3) 141(0,-45.6) 142(8.2,-45.9) 143(0,-46.2) 144(8.2,-46.5) 145(0,-46.8) 146(8.2,-47.1) 147(0,-47.4) 148(8.2,-47.7) 149(0,-48) 150(8.2,-48.3) 151(0,-48.6) 152(8.2,-48.9) 153(0,-49.2) 154(8.2,-49.5) 155(0,-49.8) 156(8.2,-50.1) 157(0,-50.4) 158(8.2,-50.7) 159(0,-51) 160(8.2,-51.3) 161(0,-51.6) 162(8.2,-51.9) 163(0,-52.2) 164(8.2,-52.5) 165(0,-52.8) 166(8.2,-53.1) 167(0,-53.4) 168(8.2,-53.7) 169(0,-54) 170(8.2,-54.3) 171(0,-54.6) 172(8.2,-54.9) 173(0,-55.2) 174(8.2,-55.5) 175(0,-55.8) 176(8.2,-56.1) 177(0,-56.4) 178(8.2,-56.7) 179(0,-57) 180(8.2,-57.3) 181(0,-57.6) 182(8.2,-57.9) 183(0,-58.2) 184(8.2,-58.5) 185(0,-58.8) 186(8.2,-59.1) 187(0,-59.4) 188(8.2,-59.7) 189(0,-60) 190(8.2,-60.3) 191(0,-60.6) 192(8.2,-60.9) 193(0,-61.2) 194(8.2,-61.5) 195(0,-61.8) 196(8.2,-62.1) 197(0,-62.4) 198(8.2,-62.7) 199(0,-63) 200(8.2,-63.3)
  rect 4.6x4.5 smd: 201(16.1,-64.2) 202(16.1,0.9)
  round 1.1 hole 1.1 unplated: 203(4.1,-65.05)
  round 1.6 hole 1.6 unplated: 204(4.1,1.75)
  silkscreen extent -0.9,-67.15 25.65,3.95
SOIC8 [mm]
  rect 2.3x0.7 smd: 1(-3.05,1.905)
  oval 2.3x0.7 smd: 2(-3.05,0.635) 3(-3.05,-0.635) 4(-3.05,-1.905) 5(3.05,-1.905) 6(3.05,-0.635) 7(3.05,0.635) 8(3.05,1.905)
  silkscreen extent -1.6,-2.5 1.6,2.5
SOIC8N [mm]
  rect 1.6x0.65 smd: 1(0,0)
  oval 1.6x0.65 smd: 2(0,-1.27) 3(0,-2.54) 4(0,-3.81) 5(5.4,-3.81) 6(5.4,-2.54) 7(5.4,-1.27) 8(5.4,0)
  silkscreen extent 1.1,-4.41 4.3,0.6
SOIC16M [mil]
  rect 100x20 smd: 1(-180,175)
  oval 100x20 smd: 2(-180,125) 3(-180,75) 4(-180,25) 5(-180,-25) 6(-180,-75) 7(-180,-125) 8(-180,-175) 9(180,-175) 10(180,-125) 11(180,-75) 12(180,-25) 13(180,25) 14(180,75) 15(180,125) 16(180,175)
  silkscreen extent -140,-250 140,250
SOIC16N [mm]
  rect 1.6x0.65 smd: 1(0,0)
  oval 1.6x0.65 smd: 2(0,-1.27) 3(0,-2.54) 4(0,-3.81) 5(0,-5.08) 6(0,-6.35) 7(0,-7.62) 8(0,-8.89) 9(5.4,-8.89) 10(5.4,-7.62) 11(5.4,-6.35) 12(5.4,-5.08) 13(5.4,-3.81) 14(5.4,-2.54) 15(5.4,-1.27) 16(5.4,0)
  silkscreen extent 1.1,-9.52 4.3,0.64
SOIC18W [mm]
  rect 2x0.65 smd: 1(0,0)
  oval 2x0.65 smd: 2(0,-1.27) 3(0,-2.54) 4(0,-3.81) 5(0,-5.08) 6(0,-6.35) 7(0,-7.62) 8(0,-8.89) 9(0,-10.16) 10(9.4,-10.16) 11(9.4,-8.89) 12(9.4,-7.62) 13(9.4,-6.35) 14(9.4,-5.08) 15(9.4,-3.81) 16(9.4,-2.54) 17(9.4,-1.27) 18(9.4,0)
  silkscreen extent 1.3,-10.79 8.1,0.64
SOT23 [mm]
  rect 1x1 smd: 1(-0.95,-1) 2(0.95,-1)
  rect 1x1.45 smd: 3(0,1)
  silkscreen extent -1.46,-1.13 1.46,1.16
SOT23-5 [mm]
  rect 1.3x0.6 smd: 1(-1.3,0.95)
  oval 1.3x0.6 smd: 2(-1.3,0) 3(-1.3,-0.95) 4(1.3,-0.95) 5(1.3,0.95)
  silkscreen extent -0.45,-1.5 0.45,1.5
SOT143 [mm]
  rect 1.2x0.9 smd: 1(-0.8,-1)
  rect 0.8x0.9 smd: 2(1,-1) 3(1,1) 4(-1,1)
  silkscreen extent -1.5,-0.7 1.5,0.7
SOT223 [mm]
  rect 1.5x2.5 smd: 1(-2.29,-3.15) 2(0,-3.15) 3(2.29,-3.15)
  rect 4x2.5 smd: 4(0,3.15)
  silkscreen extent -3.05,-2.03 3.05,2.03